# Altium PCB utca-rtm-template.PcbDoc (continued)
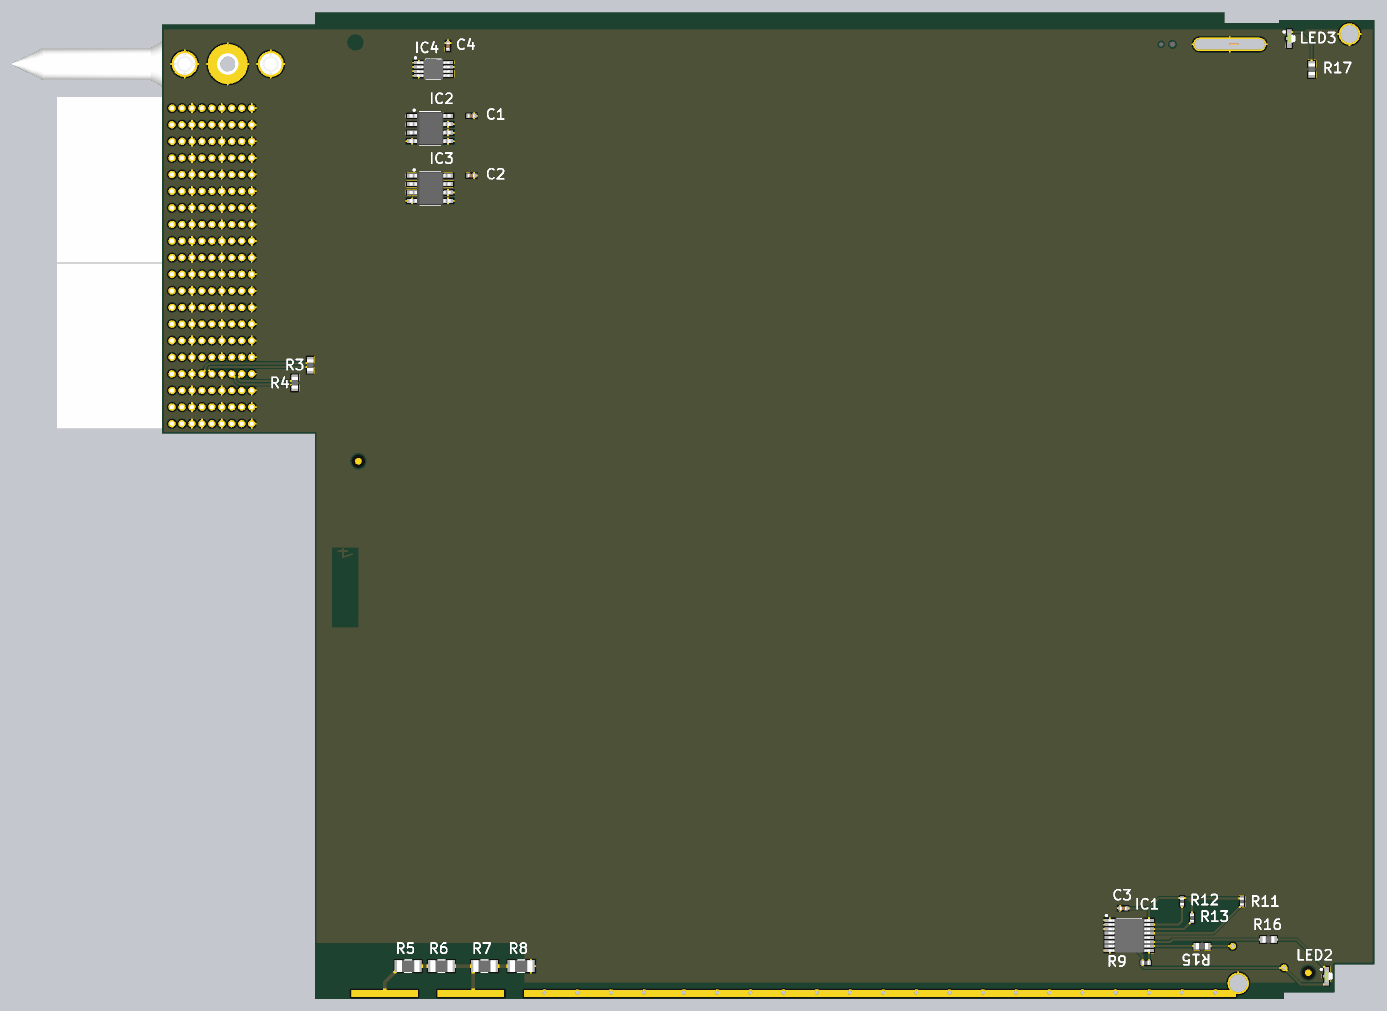
[diagram p5: 3D render of the assembled board from below, using the file's embedded part models]

## Layer stack, top to bottom
Top Solder: solder mask 0.4, Solder Resist, Dk 3.5
Top Layer: signal copper 1.4
Dielectric 1: dielectric 12.6, FR-4, Dk 4.8
Internal Plane 1: plane copper 1.4, net GND
Dielectric2: dielectric 12.6, FR-4, Dk 4.8
Internal Plane 2: plane copper 1.4
Dielectric3: dielectric 12.6, FR-4, Dk 4.8
Bottom Layer: signal copper 1.4
Bottom Solder: solder mask 0.4, Solder Resist, Dk 3.5

## Board outline
238.19,41.34 238.19,206.69 1.97,206.69 1.97,5805.12 567.32,5805.12 567.32,5785.43 891.73,5785.43 891.73,5848.43 6281.5,5848.43 6281.5,5777.56 7187.01,5777.56 7187.01,3352.36 6281.5,3352.36 6281.5,1.97 537.4,1.97 537.4,41.34

## Design rules (kind name [scope] priority, off if disabled: settings)
BoardOutlineClearance BoardOutlineClearance_silk_top [OnLayer('Top Overlay')] p1: gap=0 ignorepadtopadclearanceinfootprint=FALSE
BoardOutlineClearance BoardOutlineClearance_silk_bottom [OnLayer('Bottom Overlay')] p2: gap=0 ignorepadtopadclearanceinfootprint=FALSE
BoardOutlineClearance [All] p3: gap=11 ignorepadtopadclearanceinfootprint=FALSE except(0: Arc-SplitContinuation Track-SplitContinuation SMDPad-SplitContinuation THPad-SplitContinuation Via-SplitContinuation Fill-SplitContinuation Poly-SplitContinuation Region-SplitContinuation Text-SplitContinuation)
Clearance [All] p1: gap=10 ignorepadtopadclearanceinfootprint=FALSE except(0: Arc-Hole Track-Hole SMDPad-Hole THPad-Hole Via-Hole Fill-Hole Poly-Hole Region-Hole Text-Hole; 7: Arc-Arc Arc-Track Arc-SMDPad Arc-Fill Arc-Poly Arc-Region Track-Track Track-SMDPad Track-Fill Track-Poly Track-Region SMDPad-SMDPad SMDPad-Fill SMDPad-Poly SMDPad-Region; 8: Arc-THPad Arc-Via Track-THPad Track-Via SMDPad-THPad SMDPad-Via THPad-THPad THPad-Via Via-Via)
DiffPairsRouting DiffPair_100DiffPairsRouting [InDifferentialPairClass('DIFF100')] p1: maxlimit=8 minlimit=8 mostfreqgap=8 toplayer_minwidth=12 toplayer_maxwidth=12 toplayer_prefwidth=12 bottomlayer_minwidth=12 bottomlayer_maxwidth=12 bottomlayer_prefwidth=12 maxuncoupledlength=500
DiffPairsRouting [All] p2: maxlimit=20 minlimit=8 mostfreqgap=8 toplayer_minwidth=10 toplayer_maxwidth=40 toplayer_prefwidth=12 bottomlayer_minwidth=10 bottomlayer_maxwidth=40 bottomlayer_prefwidth=12 maxuncoupledlength=500
HoleSize [All] p1: absolutevalues=TRUE maxlimit=1000 minlimit=8 maxpercent=80.000 minpercent=20.000
MatchedLengths DiffPair_100MatchedLengths [InDifferentialPairClass('DIFF100')] p1: tolerance=1000 checknetsindiffpair=FALSE checkdiffpairvsdiffpair=TRUE checkxsignals=TRUE checkothers=TRUE
MinimumSolderMaskSliver [All] p1: minsoldermaskwidth=6
PlaneClearance [All] p1: clearance=20
PlaneConnect [All] p1: planeconnectstyle=Direct reliefexpansion=20 reliefentries=4 reliefconductorwidth=10 reliefairgap=10
PolygonConnect [All] p1: connectstyle=Relief reliefconductorwidth=10 reliefentries=4 polygonreliefangle="90 Angle" airgapwidth=10
RoutingVias [All] p1: holewidth=23.62 width=39.37 viastyle="Through Hole" minholewidth=7.87 minwidth=15.75 maxholewidth=196.85 maxwidth=212.6
SilkToSolderMaskClearance [IsText] p1: minsilkscreentomaskgap=5 clearancetoexposedcopper=TRUE
SolderMaskExpansion [All] p1: expansion=8
Width [All] p1: maxlimit=40 minlimit=8 preferedwidth=12 minimp=50.000000 maximp=50.000000 favimp=50.000000
24 further rules are at their usual default settings.

## Classes and differential pairs
differential pair class DIFF100: DNC1 DNC2 DNC3 DNC4 DNC5 DNC6 DNC7 DNC8 DNC9 DNC10 DNC11 FPGA_CLK1 FPGA_CLK2 RTM_LVD0 RTM_LVD1 RTM_LVD2 RTM_LVD3 RTM_LVD4 RTM_LVD5 RTM_LVD6 RTM_LVD7 SFP1RX SFP1TX SFP2RX SFP2TX SFP3RX SFP3TX SFP4RX SFP4TX SFP5RX SFP5TX SFP6RX SFP6TX SFP7RX SFP7TX SFP8RX SFP8TX SYNC_CLK1
component class rtm-top: FTG1 FTG2 FTG3 FTG4 FTG5 FTG6 R4
net class RTM_IO[14..0]: RTM_IO0 RTM_IO1 RTM_IO2 RTM_IO3 RTM_IO4 RTM_IO5 RTM_IO6 RTM_IO7 RTM_IO8 RTM_IO9 RTM_IO10 RTM_IO11 RTM_IO12 RTM_IO13 RTM_IO14
component class IPMI: C1 C2 C3 C4 IC1 IC2 IC3 IC4 LED1 LED2 LED3 PB1 R12 R13 R15 R16 R17
component class Connectors: J1 J2 J3 R1
differential pair DNC3: +DNC2_P -DNC2_N
differential pair RTM_LVD2: +RTM_LVD2_P -RTM_LVD2_N
differential pair DNC3: +DNC3_P -DNC3_N
differential pair DNC2: +DNC2_P -DNC2_N
differential pair DNC1: +DNC1_P -DNC1_N
differential pair SYNC_CLK1: +SYNC_CLK1_P -SYNC_CLK1_N
differential pair SFP8TX: +SFP8TX_P -SFP8TX_N
differential pair SFP8RX: +SFP8RX_P -SFP8RX_N
differential pair SFP7TX: +SFP7TX_P -SFP7TX_N
differential pair SFP7RX: +SFP7RX_P -SFP7RX_N
differential pair SFP6TX: +SFP6TX_P -SFP6TX_N
differential pair SFP6RX: +SFP6RX_P -SFP6RX_N
differential pair SFP5TX: +SFP5TX_P -SFP5TX_N
differential pair SFP5RX: +SFP5RX_P -SFP5RX_N
differential pair SFP4TX: +SFP4TX_P -SFP4TX_N
differential pair SFP4RX: +SFP4RX_P -SFP4RX_N
differential pair SFP3TX: +SFP3TX_P -SFP3TX_N
differential pair SFP3RX: +SFP3RX_P -SFP3RX_N
differential pair SFP2TX: +SFP2TX_P -SFP2TX_N
differential pair SFP2RX: +SFP2RX_P -SFP2RX_N
differential pair SFP1TX: +SFP1TX_P -SFP1TX_N
differential pair SFP1RX: +SFP1RX_P -SFP1RX_N
differential pair RTM_LVD7: +RTM_LVD7_P -RTM_LVD7_N
differential pair RTM_LVD6: +RTM_LVD6_P -RTM_LVD6_N
differential pair RTM_LVD5: +RTM_LVD5_P -RTM_LVD5_N
differential pair RTM_LVD4: +RTM_LVD4_P -RTM_LVD4_N
differential pair RTM_LVD3: +RTM_LVD3_P -RTM_LVD3_N
differential pair RTM_LVD1: +RTM_LVD1_P -RTM_LVD1_N
differential pair RTM_LVD0: +RTM_LVD0_P -RTM_LVD0_N
differential pair FPGA_CLK2: +FPGA_CLK2_P -FPGA_CLK2_N
differential pair FPGA_CLK1: +FPGA_CLK1_P -FPGA_CLK1_N

## Components (designator, comment, footprint, x,y, rotation, side; value= is the part's Value field where it differs from the comment)
C1 "100nF" CAPC1005X55N 5354.33,5236.22 r180 bottom
C2 "100nF" CAPC1005X55N 5354.33,4881.89 r180 bottom
C3 "100nF" CAPC1005X55N 1490.16,539.37 r0 bottom
C4 "100nF" CAPC1005X55N 5492.13,5649.61 r90 bottom
FTG1 "Use only in PCB" FIDUCIAL_TOP_C100-200#1 393.7,157.48 r90 top
FTG2 "Use only in PCB" FIDUCIAL_TOP_C100-200#1 393.7,157.48 r90 bottom
FTG3 "Use only in PCB" FIDUCIAL_TOP_C100-200#1 6041.34,5671.26 r90 top
FTG4 "Use only in PCB" FIDUCIAL_TOP_C100-200#2 6041.34,5671.26 r90 bottom
FTG5 "Use only in PCB" FIDUCIAL_TOP_C100-200#1 6023.62,3188.98 r90 bottom
FTG6 "Use only in PCB" FIDUCIAL_TOP_C100-200#1 196.85,3228.35 r90 top
IC1 "PCA9554PW" SOP65P640X110-16N 1454.72,378.94 r180 bottom
IC2 "LM75AIM/NOPB" SOIC127P600X175-8N 5598.43,5161.22 r180 bottom
IC3 "LM75AIM/NOPB" SOIC127P600X175-8N 5598.43,4806.89 r180 bottom
IC4 "24LC64-I/MS" SOP65P490X110-8N 5578.74,5512.8 r180 bottom
J1 "Advanced TCA" TYCO_6469183-1 6891.73,3854.33 r0 top
J2 "Advanced TCA" TYCO_6469183-1 6891.73,4838.58 r0 top
J3 "Family" TYCO_1469265-1 6797.91,5543.31 r0 top
LED1 "Red" LEDC1608X80N_RED 590.55,157.48 r90 top
LED2 "Green" LED_AVAGO_HSME-C120 285.43,137.8 r270 bottom
LED3 "Blue" LED_AVAGO_HSMR-C120 505.91,5693.9 r270 bottom
PB1 "Push Button" SW_C&K_HDT0001 1232.28,5659.45 r0 top
R1 "100" RESC1608X55N 6397.64,3556.1 r270 top
R2 "100" RESC1608X55N 6396.65,3756.89 r90 top
R3 "100" RESC1608X55N 6309.06,3758.86 r90 bottom
R4 "100" RESC1608X55N 6400.99,3653.14 r270 bottom
R5 "1M" RESC3216X65N 5728.35,196.85 r180 bottom
R6 "1M" RESC3216X65N 5531.5,196.85 r180 bottom
R7 "1M" RESC3216X65N 5275.59,196.85 r180 bottom
R8 "1M" RESC3216X65N 5059.05,196.85 r180 bottom
R9 "10k" RESC1005X40N 1357.09,216.54 r180 bottom
R10 "10k" RESC1005X40N 1452.76,5701.97 r270 top
R11 "10k" RESC1005X40N 787.4,579.92 r270 bottom
R12 "10k" RESC1005X40N 1141.73,580.71 r270 bottom
R13 "10k" RESC1005X40N 1082.68,482.28 r270 bottom
R15 "330" RESC1608X55N 1023.62,314.96 r180 bottom
R16 "330" RESC1608X55N 629.92,354.33 r180 bottom
R17 "330" RESC1608X55N 374.02,5511.81 r90 bottom

## Footprints (in the part's own frame and the unit in brackets; to place one, negate y for a bottom-side part, rotate by r counter-clockwise, add the part's x,y. Pads: shape width x height; smd on the part's side, far side on the other; paste and mask are expansions set on the pad)
CAPC1005X55N [mm] "Chip Capacitor, Body 1.0x0.55mm, IPC Medium Density"
  rect 0.62x0.62 smd: 1(-0.45,0) 2(0.45,0)
  body extent -0.52,-0.27 0.53,0.28, height 0.55
FIDUCIAL_TOP_C100-200#1 [mm] "Round Fiducial Target, Top Layer, 1.0mm, Top Solder 2.0mm, Keepout =2.0mm"
  round 1 smd paste-0.51 mask+0.5: FTG2(0,0)
  Top Layer keep-out circle w0.1: c0,0 r1
FIDUCIAL_TOP_C100-200#2 [mm] "Round Fiducial Target, Top Layer, 1.0mm, Top Solder 2.0mm, Keepout =2.0mm"
  round 1 smd far side paste-0.51 mask+0.5: FTG2(0,0)
  Top Layer keep-out circle w0.1: c0,0 r1
LED_AVAGO_HSME-C120 [mm] "Green Chip LED, 2-Leads, Body 1.7x1.1mm, Side Emitting Package"
  rect 0.8x0.7 smd: 1(-1,0) 2(1,0)
  rect 0.4x0.4 smd: 3(0,-0.35)
  silkscreen extent -1.12,-0.92 0.42,0.8, body extent -0.85,-0.3 0.85,0.8, height 0.7
LED_AVAGO_HSMR-C120 [mm] "Blue Chip LED, 2-Leads, Body 1.7x1.1mm, Side Emitting Package"
  rect 0.8x0.7 smd: 1(-1,0) 2(1,0)
  rect 0.4x0.4 smd: 3(0,-0.35)
  silkscreen extent -1.12,-0.92 0.42,0.8, body extent -0.85,-0.3 0.85,0.8, height 0.7
LEDC1608X80N_RED [mm] "Chip RED LED, 2-Leads, Body 1.6x0.8mm, IPC Medium Density"
  rect 0.9x0.95 smd: 1(-0.8,0) 2(0.8,0)
  silkscreen extent -1.87,-0.13 -1.63,0.12, body extent -0.8,-0.4 0.8,0.4, height 0.8
RESC1005X40N [mm] "Chip Resistor, EIA 0402, Metric 1005, Body 1.0x0.5mm, IPC Medium Density"
  rect 0.58x0.62 smd: 1(-0.47,0) 2(0.47,0)
  body extent -0.52,-0.27 0.53,0.28, height 0.4
RESC1608X55N [mm] "Chip Resistor, EIA 0603, Metric 1608, Body 1.6x0.8mm, IPC Medium Density"
  rect 0.9x1 smd: 1(-0.8,0) 2(0.8,0)
  body extent -0.87,-0.47 0.88,0.48, height 0.55
RESC3216X65N [mm] "Chip Resistor, EIA 1206, Metric 3216, Body 3.2x1.6mm, IPC Medium Density"
  rect 1.15x1.8 smd: 1(-1.45,0) 2(1.45,0)
  silkscreen extent -0.5,-0.9 0.5,0.9, body extent -1.67,-0.87 1.68,0.88, height 0.65
SOIC127P600X175-8N [mm] "SOIC 8, Pitch 1.27mm - Body 4x5mm, IPC Medium Density"
  rect 1.55x0.6 smd: 1(-2.7,1.905) 2(-2.7,0.635) 3(-2.7,-0.635) 4(-2.7,-1.905) 5(2.7,-1.905) 6(2.7,-0.635) 7(2.7,0.635) 8(2.7,1.905)
  silkscreen extent -2.53,-2.5 1.55,2.88, body extent -3.1,-2.5 3.1,2.5, height 1.75
SOP65P490X110-8N [mm] "SOP, 0.65mm pitch; 8 pin, 3.00mm W X 3.00mm L X 1.10mm H body, IPC Medium Density"
  rect 1.5x0.45 smd: 1(-2.2,0.975) 2(-2.2,0.325) 3(-2.2,-0.325) 4(-2.2,-0.975) 5(2.2,-0.975) 6(2.2,-0.325) 7(2.2,0.325) 8(2.2,0.975)
  silkscreen extent -2.83,-1.5 1.12,1.82, body extent -2.45,-1.55 2.45,1.55, height 1.1
SOP65P640X110-16N [mm] "SOP, 0.65mm pitch; 16 pin, 4.40mm W X 5.00mm L X 1.10mm H body IPC Medium Density"
  rect 1.5x0.45 smd: 1(-2.95,2.275) 2(-2.95,1.625) 3(-2.95,0.975) 4(-2.95,0.325) 5(-2.95,-0.325) 6(-2.95,-0.975) 7(-2.95,-1.625) 8(-2.95,-2.275) 9(2.95,-2.275) 10(2.95,-1.625) 11(2.95,-0.975) 12(2.95,-0.325) 13(2.95,0.325) 14(2.95,0.975) 15(2.95,1.625) 16(2.95,2.275)
  silkscreen extent -3.58,-2.5 1.88,3.12, body extent -3.12,-2.55 3.12,2.55, height 1.1
SW_C&K_HDT0001 [mm] "Micro Mini Surface Mount Detect Switches, HDT Serie"
  rect 0.95x0.55 smd: 1(-0.925,1.575) 2(0.925,1.575) 3(-0.925,-1.575) 4(0.925,-1.575)
  round 0.5 hole 0.85 unplated mask+0.175: 5(-0.85,0)
  round 0.5 hole 0.65 unplated mask+0.075: 10(0.85,0)
  silkscreen extent -1.75,-1.4 1.75,1.4, body extent -1.75,-1.65 1.75,1.65, height 3.35
TYCO_1469265-1 [mm] "Universal Right Angle Male Power Module Guide (keyed)"
  round 3.9 hole 3.2: 1(-6.48,0) 1(6.48,0)
  rect 18.3x8.3 smd paste-4.15 mask-4.15: 1(0,0)
  round 6 hole 3.2: 1(0,0)
  silkscreen extent 9.58,-3.96 32.55,3.94, body extent -8.92,-3.95 32.53,3.95, height 9.7
TYCO_6469183-1 [mm] "60 Positions, Pitch 2.5mm,  Advanced TCA, Z-PACK HM-Zd BackPlane Press Fit Header"
  round 1.1 hole 0.6: A1(6,-11.25) A2(6,-8.75) A3(6,-6.25) A4(6,-3.75) A5(6,-1.25) A6(6,1.25) A7(6,3.75) A8(6,6.25) A9(6,8.75) A10(6,11.25) B1(4.5,-11.25) B2(4.5,-8.75) B3(4.5,-6.25) B4(4.5,-3.75) B5(4.5,-1.25) B6(4.5,1.25) B7(4.5,3.75) B8(4.5,6.25) B9(4.5,8.75) B10(4.5,11.25) BG1(3,-11.25) BG2(3,-8.75) BG3(3,-6.25) BG4(3,-3.75) BG5(3,-1.25) BG6(3,1.25) BG7(3,3.75) BG8(3,6.25) BG9(3,8.75) BG10(3,11.25) C1(1.5,-11.25) C2(1.5,-8.75) C3(1.5,-6.25) C4(1.5,-3.75) C5(1.5,-1.25) C6(1.5,1.25) C7(1.5,3.75) C8(1.5,6.25) C9(1.5,8.75) C10(1.5,11.25) D1(0,-11.25) D2(0,-8.75) D3(0,-6.25) D4(0,-3.75) D5(0,-1.25) D6(0,1.25) D7(0,3.75) D8(0,6.25) D9(0,8.75) D10(0,11.25) DG1(-1.5,-11.25) DG2(-1.5,-8.75) DG3(-1.5,-6.25) DG4(-1.5,-3.75) DG5(-1.5,-1.25) DG6(-1.5,1.25) DG7(-1.5,3.75) DG8(-1.5,6.25) DG9(-1.5,8.75) DG10(-1.5,11.25) E1(-3,-11.25) E2(-3,-8.75) E3(-3,-6.25) E4(-3,-3.75) E5(-3,-1.25) E6(-3,1.25) E7(-3,3.75) E8(-3,6.25) E9(-3,8.75) E10(-3,11.25) F1(-4.5,-11.25) F2(-4.5,-8.75) F3(-4.5,-6.25) F4(-4.5,-3.75) F5(-4.5,-1.25) F6(-4.5,1.25) F7(-4.5,3.75) F8(-4.5,6.25) F9(-4.5,8.75) F10(-4.5,11.25) FG1(-6,-11.25) FG2(-6,-8.75) FG3(-6,-6.25) FG4(-6,-3.75) FG5(-6,-1.25) FG6(-6,1.25) FG7(-6,3.75) FG8(-6,6.25) FG9(-6,8.75) FG10(-6,11.25)
  silkscreen extent -6.65,-12 23.35,12.9, body extent -6.65,-12 23.35,12.9, height 13.31

## Part data
C1 C2 C3 C4: library part CC0402_100NF_16V_10%_X7R, "Non-polarised capacitor", Case=0402, Manufacturer=GENERIC, Manufacturer1 ComponentHeight=0.55mm, Manufacturer1 Example=PHYCOMP, Manufacturer1 Part Number=223878715649, Tolerance=±10%, Voltage=16V, Author="CERN DEM JLC", Component Type=Standard, CreateDate=12/3/2007, HelpURL=\\cern.ch\dfs\Applications\Altium\Datasheets\CC0402_X7R_PHYCOMP.pdf, LatestRevisionDate=12/3/2007, Manufacturer Part Number=CC0402_100NF_16V_10%_X7R, Mounted=Yes, Part Description="SMD Multilayer Chip Ceramic Capacitor", Part Number=CC0402_100NF_16V_10%_X7R, Pin Count=2, SMD=Yes, Socket=No, Status="Not Recommended", Table="Capacitors SMD", TC=X7R
FTG1 FTG2 FTG3 FTG4 FTG5 FTG6: library part FIDUCIAL_TARGET_C100-200, "Fiducial Target", Author="CERN DEM JLC", ComponentHeight=0mm, Component Type="Standard (No BOM)", CreateDate=09/02/2010, Family=Fiducial, HelpURL=Undefined, LatestRevisionDate=04/04/2012, Mounted=No, PackageDescription="Round Fiducial Target, Top Layer, 1.0mm, Top Solder 2.0mm, Keepout =2.0mm", Part Description="Round Fiducial Target, Top Layer, 1.0mm, Top Solder 2.0mm, Keepout =2.0mm", Part Number=FIDUCIAL_TARGET_C100-200, Pin Count=1, Sense=No, SMD=Yes, Socket=No, Status=None
IC1: "8-Bit I2C-Bus and SMBus I/O Port with Interrupt", Case=TSSOP16, Manufacturer="NXP SEMICONDUCTORS", Author="CERN DEM JLC", Bonding=No, ComponentHeight=1.1mm, Component Type=Standard, CreateDate=04/11/2014, Device=PCA9554PW, HelpURL=\\cern.ch\dfs\Applications\Altium\Datasheets\PCA9554PW.pdf, LatestRevisionDate=04/11/2014, Manufacturer Part Number=PCA9554PW, Mounted=Yes, PackageDescription="SOP, 0.65mm pitch; 16 pin, 4.40mm W X 5.00mm L X 1.10mm H body IPC Medium Density", Part Description="8-Bit I2C-Bus and SMBus I/O Port with Interrupt", Part Number=PCA9554PW, Pin Count=16, PressFit=No, Sense=No, SMD=Yes, Socket=No
IC2 IC3: "Digital Temperature Sensor and Thermal Watchdog with Two-Wire Interface", Case=SOIC8, Manufacturer="TEXAS INSTRUMENTS", Author="CERN DEM JLC", Bonding=No, ComponentHeight=1.75mm, Component Type=Standard, CreateDate=15/10/2012, Device=LM75AIM/NOPB, HelpURL=\\cern.ch\dfs\Applications\Altium\Datasheets\LM75AIM-NOPB.pdf, LatestRevisionDate=15/10/2012, Manufacturer Part Number=LM75AIM/NOPB, Mounted=Yes, PackageDescription="SOIC 8, Pitch 1.27mm - Body 4x5mm, IPC Medium Density", Part Description="-25° to +100°C ±2°C Digital Temperature Sensor and Thermal Watchdog with Two-Wire Interface", Part Number=LM75AIM/NOPB, Pin Count=8, PressFit=No, Sense=No, SMD=Yes, Socket=No
IC4: "64K I2C Serial EEPROM", Case=MSOP8, Manufacturer="MICROCHIP TECHNOLOGY", Author="CERN DEM JLC", ComponentHeight=1.1mm, Component Type=Standard, CreateDate=2011-01-24, Device=24LC64-I/MS, HelpURL=\\cern.ch\dfs\Applications\Altium\Datasheets\24LC64-I-MS.pdf, LatestRevisionDate=2011-01-24, Manufacturer Part Number=24LC64-I/MS, Mounted=Yes, PackageDescription="SOP, 0.65mm pitch; 8 pin, 3.00mm W X 3.00mm L X 1.10mm H body, IPC Medium Density", Part Description="2.5V-5.5V, 64K (8K x 8-bit) I2C Serial EEPROM", Part Number=24LC64-I/MS, Pin Count=8, SMD=Yes, Socket=No, Table=Logic
J1 J2: library part TYCO_6469183-1, "Connector 60 ATCA Male 30 Pairs (60 Signals) + 3x10 Ground", Manufacturer="TYCO ELECTRONICS", Manufacturer Part Number=6469183-1, Author="CERN DEM JLC", ComponentHeight=13.31mm, Component Type=Standard, CreateDate=28/08/2013, Family="Advanced TCA", HelpURL=\\cern.ch\dfs\Applications\Altium\Datasheets\TYCO_6469183-1.pdf, LatestRevisionDate=28/08/2013, Mounted=Yes, Part Description="60 Positions, Pitch 2.5mm,  Advanced TCA, Z-PACK HM-Zd Right Angle Press Fit Header", Part Number=TYCO_6469183-1, Pin Count=90, PressFit=Yes, Sense=No, SMD=No, Socket=No, Status=None
J3: library part TYCO_1469265-1, "Single Pin Male", Manufacturer="TYCO ELECTRONICS", Manufacturer Part Number=1469265-1, Author="CERN DEM JLC", ComponentHeight=9.78mm, Component Type=Standard, CreateDate=28/08/2013, HelpURL=\\cern.ch\dfs\Applications\Altium\Datasheets\TYCO_1469265-1.pdf, LatestRevisionDate=28/08/2013, Mounted=Yes, Part Description="Universal Right Angle Male Power Module Guide (keyed)", Part Number=TYCO_1469265-1, Pin Count=1, PressFit=No, Sense=No, SMD=No, Socket=No, Status=None
LED1: library part LED_ROHM_SML-311UTT86K, "LED Red 1C 2A", Manufacturer=ROHM, Manufacturer Part Number=SML-311UTT86K, Author="CERN DEM JLC", Bonding=No, Color=Red, ComponentHeight=0.8mm, Component Type=Standard, CreateDate=16/03/2010, HelpURL=\\cern.ch\dfs\Applications\Altium\Datasheets\LED_ROHM_SML-311UTT86K.pdf, LatestRevisionDate=17/03/2010, Mounted=Yes, PackageDescription="Chip Red LED, 2-Leads, Body 1.6x0.8mm, IPC Medium Density", Part Description="Low current chip LED SML-311 Serie", Part Number=LED_ROHM_SML-311UTT86K, Pin Count=2, PressFit=No, Sense=No, SMD=Yes, Socket=No
LED2: library part LED_AVAGO_HSME-C120, "LED Green 1C 2A", Manufacturer="AVAGO TECHNOLOGIES", Manufacturer Part Number=HSME-C120, Author="CERN DEM JMW", Bonding=No, Color=Green, ComponentHeight=0.7mm, ComponentLink1Description="Design Guide", ComponentLink1URL=\\cern.ch\dfs\Applications\Altium\Datasheets\LED_AVAGO_HSME-C110_DESIGN-GUIDE.pdf, Component Type=Standard, CreateDate=22/07/2009, HelpURL=\\cern.ch\dfs\Applications\Altium\Datasheets\LED_AVAGO_HSME-C120.pdf, LatestRevisionDate=20/06/2012, Mounted=Yes, PackageDescription="Green Chip LED, 2-Leads, Body 1.7x1.1mm, Side Emitting Package", Part Description="High Performance Right Angle Chip Green LED", Part Number=LED_AVAGO_HSME-C120, Pin Count=2, PressFit=No, Sense=No, SMD=Yes, Socket=No
LED3: library part LED_AVAGO_HSMR-C120, "LED Blue 1C 2A", Manufacturer="AVAGO TECHNOLOGIES", Manufacturer Part Number=HSMR-C120, Author="CERN DEM JLC", Bonding=No, Color=Blue, ComponentHeight=0.7mm, Component Type=Standard, CreateDate=07/07/2014, HelpURL=\\cern.ch\dfs\Applications\Altium\Datasheets\LED_AVAGO_HSMR-C120.pdf, LatestRevisionDate=07/07/2014, Mounted=Yes, PackageDescription="Blue Chip LED, 2-Leads, Body 1.7x1.1mm, Side Emitting Package", Part Description="High Performance Right Angle Chip InGaN Blue LED", Part Number=LED_AVAGO_HSMR-C120, Pin Count=2, PressFit=No, Sense=No, SMD=Yes, Socket=No
PB1: library part SW_C&K_HDT0001, "Push-Button Switch SPDT", Manufacturer=C&K, Manufacturer Part Number=HDT0001, Author="CERN DEM JLC", ComponentHeight=3.35mm, Component Type=Standard, CreateDate=2012-08-15, Family="Push Button", HelpURL=\\cern.ch\dfs\Applications\Altium\Datasheets\SW_C&K_HDT0001.pdf, LatestRevisionDate=2012-08-15, Mounted=Yes, PackageDescription="Body 3.5x2.8mm, Micro Mini Surface Mount Detect Switches, HDT Serie", Part Description="5VDC 1mA SPST-NO Micro Mini Surface Surface Mount Detect Push-Button Switch, HDT Serie", Part Number=SW_C&K_HDT0001, Pin Count=4, SMD=Yes, Socket=No, Status=None, Table=Switches
R1 R3 R4: library part R0603_100R_1%_0.1W_100PPM, "Resistor - 1%", Case=0603, Manufacturer=GENERIC, Manufacturer1 ComponentHeight=0.55mm, Manufacturer1 Example="NIC COMPONENT", Manufacturer1 Part Number=NRC06F4700TRF, Power=0.1W, Tolerance=±1%, Author="CERN DEM JLC", Component Type=Standard, CreateDate=03/12/2007, HelpURL=\\cern.ch\dfs\Applications\Altium\Datasheets\R0603_NIC_NRC.pdf, LatestRevisionDate=13/03/2008, Manufacturer Part Number=R0603_100R_1%_0.1W_100PPM, Mounted=Yes, Part Description="General Purpose Thick Film Chip Resistor", Part Number=R0603_100R_1%_0.1W_100PPM, Pin Count=2, Sense=No, SMD=Yes, Socket=No, Status=Preferred, TC=±100ppm/°C
R2: library part R0603_100R_1%_0.1W_100PPM, "Resistor - 1%", Case=0603, Manufacturer=GENERIC, Manufacturer1 ComponentHeight=0.55mm, Manufacturer1 Example="NIC COMPONENT", Manufacturer1 Part Number=NRC06F1000TRF, Power=0.1W, Tolerance=±1%, Author="CERN DEM JLC", Component Type=Standard, CreateDate=03/12/2007, HelpURL=\\cern.ch\dfs\Applications\Altium\Datasheets\R0603_NIC_NRC.pdf, LatestRevisionDate=13/03/2008, Manufacturer Part Number=R0603_100R_1%_0.1W_100PPM, Mounted=Yes, Part Description="General Purpose Thick Film Chip Resistor", Part Number=R0603_100R_1%_0.1W_100PPM, Pin Count=2, Sense=No, SMD=Yes, Socket=No, Status=Preferred, TC=±100ppm/°C
R5 R6 R7 R8: library part R1206_1M_1%_0.25W_100PPM, "Resistor - 1%", Case=1206, Manufacturer=GENERIC, Manufacturer1 ComponentHeight=0.65mm, Manufacturer1 Example="NIC COMPONENT", Manufacturer1 Part Number=NRC12F1004TRF, Power=0.25W, Tolerance=±1%, Author="CERN DEM JLC", Component Type=Standard, CreateDate=03/12/2007, HelpURL=\\cern.ch\dfs\Applications\Altium\Datasheets\R1206_NIC_NRC.pdf, LatestRevisionDate=13/03/2008, Manufacturer Part Number=R1206_1M_1%_0.25W_100PPM, Mounted=Yes, Part Description="General Purpose Thick Film Chip Resistor", Part Number=R1206_1M_1%_0.25W_100PPM, Pin Count=2, Sense=No, SMD=Yes, Socket=No, Status=Preferred, TC=±100ppm/°C
R9 R10 R11 R12 R13: library part R0402_10K_1%_0.0625W_100PPM, "Resistor - 1%", Case=0402, Manufacturer=GENERIC, Manufacturer1 ComponentHeight=0.4mm, Manufacturer1 Example="YAGEO PHYCOMP", Manufacturer1 Part Number=232270671003L, Power=0.0625W, Tolerance=±1%, Author="CERN DEM JLC", Component Type=Standard, CreateDate=2007-12-03, HelpURL=\\cern.ch\dfs\Applications\Altium\Datasheets\R0402_Phycomp_RC0402.pdf, LatestRevisionDate=2012-10-17, Manufacturer Part Number=R0402_10K_1%_0.0625W_100PPM, Mounted=Yes, Part Description="General Purpose Thick Film Chip Resistor", Part Number=R0402_10K_1%_0.0625W_100PPM, Pin Count=2, SMD=Yes, Socket=No, Status="Not recommended", Table="Resistors SMD", TC=±100ppm/°C
R15 R16 R17: library part R0603_330R_1%_0.1W_100PPM, "Resistor - 1%", Case=0603, Manufacturer=GENERIC, Manufacturer1 ComponentHeight=0.55mm, Manufacturer1 Example="NIC COMPONENT", Manufacturer1 Part Number=NRC06F3300TRF, Power=0.1W, Tolerance=±1%, Author="CERN DEM JLC", Component Type=Standard, CreateDate=2007-12-03, HelpURL=\\cern.ch\dfs\Applications\Altium\Datasheets\R0603_NIC_NRC.pdf, LatestRevisionDate=2008-03-13, Manufacturer Part Number=R0603_330R_1%_0.1W_100PPM, Mounted=Yes, Part Description="General Purpose Thick Film Chip Resistor", Part Number=R0603_330R_1%_0.1W_100PPM, Pin Count=2, SMD=Yes, Socket=No, Status=Preferred, Table="Resistors SMD", TC=±100ppm/°C

## Free pads (board coordinates)
  oval 433.07x78.74 hole 62.99 slot 417.32 at 0 deg: 0(860.24,5659.45)
  rect 393.7x39.37 smd far side paste-100000 mask+10: ESD_STRIP_1(5868.14,34.45) "ESD_STRIP_ 2"(5356.33,34.45)
  rect 4218.11x39.37 smd far side paste-100000 mask+10: ESD_STRIP_3(2932.27,34.45)
  round 125.98 hole 106.3: MH1(149.61,5720.47) MH2(809.06,94.49)

## Via types
v1: diameter 39.37, hole 23.62, Top Layer to Bottom Layer, 23 vias

## Nets (pads, with @x,y where several pads share a name; then routed paths per layer and width w, separated by ;. In a path a pad name is that pad's centre, name@x,y a point inside that pad or via, vN(x,y) a via of type N, cw(c..) or ccw(c..) an arc to the next point about the centre after c; other vN are vias at no path point)
CLK_EXT_N: J1.D3
CLK_EXT_P: J1.C3
DNC1_N: J1.B4 R2.1 | length 742.8
  Top Layer w12: R2.1 ccw(c6396.65,3730.15) 6400.01,3726.78 6409.37,3736.14 ccw(c6407.02,3738.49) 6410.34,3738.49 cw(c6413.66,3738.49) 6411.31,3740.83 cw(c6425.93,3726.21) 6425.93,3746.89 7075.5,3746.89 cw(c7075.5,3733.96) 7084.64,3743.1 7084.91,3742.83 cw(c7076.43,3734.35) 7088.43,3734.35 cw(c7076.43,3734.35) 7084.91,3725.86 7071.13,3712.08 ccw(c7076.52,3706.69) J1.B4
DNC1_P: J1.A4 R2.2 | length 774.3
  Top Layer w12: R2.2 cw(c6396.65,3783.63) 6400.01,3787 6409.37,3777.64 cw(c6407.02,3775.29) 6410.34,3775.29 ccw(c6413.66,3775.29) 6411.31,3772.95 ccw(c6425.93,3787.57) 6425.93,3766.89 7075.5,3766.89 cw(c7075.5,3733.96) 7098.78,3757.25 7101.98,3754.04 cw(c7086.43,3738.49) 7108.43,3738.49 ccw(c7130.43,3738.49) 7114.87,3722.93 7125.72,3712.08 cw(c7120.33,3706.69) J1.A4
DNC2_N: J1.D4 R3.1 | length 654.3
  Bottom Layer w12: R3.1 ccw(c6309.06,3732.11) 6312.41,3728.75 6321.77,3738.11 ccw(c6319.42,3740.45) 6322.74,3740.45 cw(c6326.06,3740.45) 6323.71,3742.8 6326.26,3745.34 cw(c6334.74,3736.86) 6334.74,3748.86 6894.97,3748.86 cw(c6894.97,3732.57) 6906.49,3744.09 6907.74,3742.83 cw(c6899.26,3734.35) 6911.26,3734.35 cw(c6899.26,3734.35) 6907.75,3725.86 6893.96,3712.08 ccw(c6899.35,3706.69) J1.D4
DNC2_P: J1.C4 R3.2 | length 685.7
  Bottom Layer w12: R3.2 cw(c6309.06,3785.6) 6312.42,3788.96 6321.77,3779.61 cw(c6319.42,3777.26) 6322.74,3777.26 ccw(c6326.06,3777.26) 6323.71,3774.92 6326.26,3772.37 ccw(c6334.74,3780.86) 6334.74,3768.86 6894.97,3768.86 cw(c6894.97,3732.57) 6920.63,3758.23 6924.82,3754.04 cw(c6909.26,3738.49) 6931.26,3738.49 ccw(c6953.26,3738.49) 6937.7,3722.93 6948.56,3712.08 cw(c6943.17,3706.69) J1.C4
DNC3_N: J1.F3 R1.1 | length 388.2
  Top Layer w12: R1.1 cw(c6397.64,3582.85) 6400.99,3586.21 6410.35,3576.85 cw(c6408,3574.51) 6411.32,3574.51 ccw(c6414.64,3574.51) 6412.3,3572.16 ccw(c6426.92,3586.78) 6426.92,3566.1 6717.81,3566.1 ccw(c6717.81,3582.39) 6729.32,3570.87 6730.58,3572.13 ccw(c6722.09,3580.61) 6734.09,3580.61 ccw(c6722.09,3580.61) 6730.58,3589.1 6716.8,3602.88 cw(c6722.18,3608.27) J1.F3
DNC3_P: J1.E3 R1.2 | length 419.6
  Top Layer w12: R1.2 ccw(c6397.64,3529.36) 6400.99,3525.99 6410.35,3535.35 ccw(c6408,3537.7) 6411.32,3537.7 cw(c6414.64,3537.7) 6412.3,3540.05 cw(c6426.92,3525.42) 6426.92,3546.1 6717.81,3546.1 ccw(c6717.81,3582.39) 6743.47,3556.73 6747.65,3560.92 ccw(c6732.09,3576.47) 6754.09,3576.47 cw(c6776.09,3576.47) 6760.54,3592.03 6771.39,3602.88 ccw(c6766,3608.27) J1.E3
DNC4_N: J1.F4 R4.1 | length 388.2
  Bottom Layer w12: R4.1@6397.64,3686.02 cw(c6397.64,3681.27) R4.1 6410.35,3675.28 cw(c6408,3672.93) 6411.32,3672.93 ccw(c6414.64,3672.93) 6412.3,3670.58 ccw(c6426.92,3685.21) 6426.92,3664.53 6717.81,3664.53 ccw(c6717.81,3680.82) 6729.32,3669.3 6730.58,3670.55 ccw(c6722.09,3679.04) 6734.09,3679.04 ccw(c6722.09,3679.04) 6730.58,3687.52 6716.8,3701.31 cw(c6722.18,3706.69) J1.F4
DNC4_P: J1.E4 R4.2 | length 419.6
  Bottom Layer w12: R4.2@6397.64,3623.03 ccw(c6397.64,3627.78) 6400.99,3624.42 6410.35,3633.78 ccw(c6408,3636.12) 6411.32,3636.12 cw(c6414.64,3636.12) 6412.3,3638.47 cw(c6426.92,3623.85) 6426.92,3644.53 6717.81,3644.53 ccw(c6717.81,3680.82) 6743.47,3655.16 6747.65,3659.34 ccw(c6732.09,3674.9) 6754.09,3674.9 cw(c6776.09,3674.9) 6760.54,3690.45 6771.39,3701.31 ccw(c6766,3706.69) J1.E4
ESD1: pad.ESD_STRIP_1 R5.1 | length 196.7
  Bottom Layer w20: R5.1 5785.43,184.06 5868.14,101.35 pad.ESD_STRIP_1
ESD2: "pad.ESD_STRIP_ 2" R6.2 R7.1 | length 313.9
  Bottom Layer w20: 5356.33,34.45 5342.64,48.13 5342.64,186.89 R7.1 R6.2
FPGA_CLK1_N: J2.B5
FPGA_CLK1_P: J2.A5
FPGA_CLK2_N: J2.B9
FPGA_CLK2_P: J2.A9
GND: C1.2 C2.2 C3.2 C4.2 IC1.1 IC1.2 IC1.3 IC1.8 IC2.4 IC2.5 IC2.6 IC2.7 IC3.4 IC3.5 IC3.6 IC4.1 IC4.2 IC4.3 IC4.4 IC4.7 J1.BG1 J1.BG2 J1.BG3 J1.BG4 J1.BG5 J1.BG6 J1.BG7 J1.BG8 J1.BG9 J1.BG10 J1.C1 J1.DG1 J1.DG2 J1.DG3 J1.DG4 J1.DG5 J1.DG6 J1.DG7 J1.DG8 J1.DG9 J1.DG10 J1.FG1 J1.FG2 J1.FG3 J1.FG4 J1.FG5 J1.FG6 J1.FG7 J1.FG8 J1.FG9 J1.FG10 J2.BG1 J2.BG2 J2.BG3 J2.BG4 J2.BG5 J2.BG6 J2.BG7 J2.BG8 J2.BG9 J2.BG10 J2.DG1 J2.DG2 J2.DG3 J2.DG4 J2.DG5 J2.DG6 J2.DG7 J2.DG8 J2.DG9 J2.DG10 J2.FG1 J2.FG2 J2.FG3 J2.FG4 J2.FG5 J2.FG6 J2.FG7 J2.FG8 J2.FG9 J2.FG10 J3.1 pad.0 pad.ESD_STRIP_3 pad.MH1 pad.MH2 PB1.3 PB1.4 R8.2
  other v1: 944.88,39.37 1141.73,39.37 1338.58,39.37 1535.43,39.37 1732.28,39.37 1929.13,39.37 2125.98,39.37 2322.83,39.37 2519.68,39.37 2716.54,39.37 2913.39,39.37 3110.24,39.37 3307.09,39.37 3503.94,39.37 3700.79,39.37 3897.64,39.37 4094.49,39.37 4330.71,39.37 4527.56,39.37 4724.41,39.37 4921.26,39.37
I2C_SCL_MMC: IC1.15 IC2.2 IC3.2 IC4.6 J1.D2 R12.2 | length 304.6
  Bottom Layer w12: R12.2 1141.73,462.6 1161.42,442.91 IC1.15
I2C_SDA_MMC: IC1.14 IC2.1 IC3.1 IC4.5 J1.D1 R13.2 | length 275.1
  Bottom Layer w12: R13.2 1083.46,463.78 1129.92,417.32 IC1.14
NetIC1_4: IC1.4 PB1.1 PB1.2 R10.1 | length 257.3
  Top Layer w12: PB1.1 PB1.2 1269.19,5720.96 1452.26,5720.96 R10.1
NetIC1_10: IC1.10 R15.1 | length 283.5
  Bottom Layer w12: R15.1 IC1.10
NetIC1_11: IC1.11 R16.1 | length 682.9
  Bottom Layer w12: R16.1 1200.79,354.33 1214.57,340.55 IC1.11
NetIC1_12: IC1.12 R17.1
NetIC1_13: IC1.13 R11.2 | length 621
  Bottom Layer w12: R11.2@787.4,560.24 788.19,560.24 956.69,391.73 IC1.13
NetR5_2: R5.2 R6.1 | length 82.7
  Bottom Layer w20: R6.1 R5.2
NetR7_2: R7.2 R8.1 | length 102.4
  Bottom Layer w20: R8.1 R7.2
OVER_TEMP: IC1.9 IC2.3 IC3.3 R9.2 | length 72.8
  Bottom Layer w12: R9.2 IC1.9
P2_BLUE: LED3.1 R17.2 | length 295.9
  Bottom Layer w12: R17.2 374.02,5688.98 418.31,5733.27 LED3.1
P3_GREEN: LED2.1 R16.2 | length 387.5
  Bottom Layer w12: LED2.1 285.43,179.13 293.21,186.91 295.18,186.91 462.6,354.33 R16.2
P3V3MP: C1.1 C2.1 C3.1 C4.1 IC1.16 IC2.8 IC3.7 IC3.8 IC4.8 LED1.2 LED2.2 LED3.2 R9.1 R10.2 R11.1 R12.1 R13.1 | length 2424.4
  Top Layer w12: v1(537.4,187.01) 538.39,187.99 589.57,187.99 LED1.2
  Bottom Layer w12: LED2.2 285.43,96.58 293.21,88.8 439.2,88.8 v1(537.4,187.01) 1368.11,187.01 1375.59,194.49 R9.1 1375.59,253.54 1407.48,285.43 1407.48,442.91 1384.75,465.65 1341.44,465.65 IC1.16 1338.58,538.98 ; R11.1 1107.87,598.43 1109.06,597.24 ; R13.1 1082.68,570.87 1109.06,597.24 ; C3.1 1338.98,539.37 1338.58,538.98 ; 1109.06,597.24 1112.2,600.39 1140.55,600.39 R12.1 1278.35,599.21 1338.58,538.98
P4_RED: LED1.1 R15.2 | length 479.9
  Top Layer w12: LED1.1 653.54,125.98 v1(842.52,314.96)
  Bottom Layer w12: v1(842.52,314.96) R15.2
RTM_3V3MP: J1.C2
RTM_12P0V: J1.A1 J1.A2 J1.B1 J1.B2
RTM_IO0: J1.C5
RTM_IO1: J1.C6
RTM_IO2: J1.C7
RTM_IO3: J1.C8
RTM_IO4: J1.C9
RTM_IO5: J1.C10
RTM_IO6: J2.A1
RTM_IO7: J2.A2
RTM_IO8: J2.C1
RTM_IO9: J2.C2
RTM_IO10: J2.E1
RTM_IO11: J2.E2
RTM_IO12: J1.A7
RTM_IO13: J1.A8
RTM_IO14: J1.A9
RTM_LVD0_N: J1.B6
RTM_LVD0_P: J1.A6
RTM_LVD1_N: J1.F7
RTM_LVD1_P: J1.E7
RTM_LVD2_N: J1.F6
RTM_LVD2_P: J1.E6
RTM_LVD3_N: J1.F5
RTM_LVD3_P: J1.E5
RTM_LVD4_N: J1.B5
RTM_LVD4_P: J1.A5
RTM_LVD5_N: J1.F9
RTM_LVD5_P: J1.E9
RTM_LVD6_N: J1.F10
RTM_LVD6_P: J1.E10
RTM_LVD7_N: J1.F8
RTM_LVD7_P: J1.E8
SFP1RX_N: J2.D10
SFP1RX_P: J2.C10
SFP1TX_N: J2.F10
SFP1TX_P: J2.E10
SFP2RX_N: J2.D9
SFP2RX_P: J2.C9
SFP2TX_N: J2.F9
SFP2TX_P: J2.E9
SFP3RX_N: J2.D8
SFP3RX_P: J2.C8
SFP3TX_N: J2.F8
SFP3TX_P: J2.E8
SFP4RX_N: J2.D7
SFP4RX_P: J2.C7
SFP4TX_N: J2.F7
SFP4TX_P: J2.E7
SFP5RX_N: J2.D6
SFP5RX_P: J2.C6
SFP5TX_N: J2.F6
SFP5TX_P: J2.E6
SFP6RX_N: J2.D5
SFP6RX_P: J2.C5
SFP6TX_N: J2.F5
SFP6TX_P: J2.E5
SFP7RX_N: J2.D4
SFP7RX_P: J2.C4
SFP7TX_N: J2.F4
SFP7TX_P: J2.E4
SFP8RX_N: J2.D3
SFP8RX_P: J2.C3
SFP8TX_N: J2.F3
SFP8TX_P: J2.E3
SYNC_CLK1_N: J1.B3
SYNC_CLK1_P: J1.A3
TCK: J1.E1
TDI: J1.E2
TDO: J1.F1
TMS: J1.F2
pads on no net: FTG1.FTG2 FTG2.FTG2 FTG3.FTG2 FTG4.FTG2 FTG5.FTG2 FTG6.FTG2 IC1.5 IC1.6 IC1.7 J1.A10 J1.B7 J1.B8 J1.B9 J1.B10 J1.D5 J1.D6 J1.D7 J1.D8 J1.D9 J1.D10 J2.A3 J2.A4 J2.A6 J2.A7 J2.A8 J2.A10 J2.B1 J2.B2 J2.B3 J2.B4 J2.B6 J2.B7 J2.B8 J2.B10 J2.D1 J2.D2 J2.F1 J2.F2 LED2.3 LED3.3 PB1.5 PB1.10

## Polygon pours and split planes (outlines as drawn)
GND on Top Layer "Top Layer-No Net" (solid, remove dead copper, pour order 0): 0,5748.03 7204.72,5748.03 7204.72,98.43 0,98.43
GND on Bottom Layer "Bottom Layer-No Net" (solid, remove dead copper, pour order 6): 0,5748.03 7204.72,5748.03 7204.72,98.43 0,98.43
GND on Internal Plane 1 (split plane): 6261.4,5777.56 6261.79,5773.64 6262.93,5769.87 6264.79,5766.39 6267.29,5763.35 6270.33,5760.85 6273.81,5758.99 6277.58,5757.85 6281.5,5757.46 7166.91,5757.46 7166.91,3372.46 6281.5,3372.46 6277.58,3372.07 6273.81,3370.93 6270.33,3369.07 6267.29,3366.57 6264.79,3363.53 6262.93,3360.05 6261.79,3356.28 6261.4,3352.36 6261.4,22.07 557.5,22.07 557.5,41.34 557.11,45.26 555.97,49.03 554.11,52.5 551.61,55.55 548.57,58.05 545.09,59.91 541.32,61.05 537.4,61.44 258.29,61.44 258.29,206.69 257.9,210.61 256.76,214.38 254.9,217.86 252.4,220.9 249.35,223.4 245.88,225.26 242.11,226.4 238.19,226.79 22.07,226.79 22.07,5785.02 547.27,5785.02 547.61,5781.51 548.76,5777.74 550.61,5774.27 553.11,5771.22 556.16,5768.72 559.63,5766.87 563.4,5765.72 567.32,5765.34 891.73,5765.34 895.65,5765.72 899.42,5766.87 902.9,5768.72 905.94,5771.22 908.44,5774.27 910.3,5777.74 911.44,5781.51 911.83,5785.43 911.83,5828.33 6261.4,5828.33
no net on Internal Plane 2 (split plane): 6261.4,5777.56 6261.79,5773.64 6262.93,5769.87 6264.79,5766.39 6267.29,5763.35 6270.33,5760.85 6273.81,5758.99 6277.58,5757.85 6281.5,5757.46 7166.91,5757.46 7166.91,3372.46 6281.5,3372.46 6277.58,3372.07 6273.81,3370.93 6270.33,3369.07 6267.29,3366.57 6264.79,3363.53 6262.93,3360.05 6261.79,3356.28 6261.4,3352.36 6261.4,22.07 557.5,22.07 557.5,41.34 557.11,45.26 555.97,49.03 554.11,52.5 551.61,55.55 548.57,58.05 545.09,59.91 541.32,61.05 537.4,61.44 258.29,61.44 258.29,206.69 257.9,210.61 256.76,214.38 254.9,217.86 252.4,220.9 249.35,223.4 245.88,225.26 242.11,226.4 238.19,226.79 22.07,226.79 22.07,5785.02 547.27,5785.02 547.61,5781.51 548.76,5777.74 550.61,5774.27 553.11,5771.22 556.16,5768.72 559.63,5766.87 563.4,5765.72 567.32,5765.34 891.73,5765.34 895.65,5765.72 899.42,5766.87 902.9,5768.72 905.94,5771.22 908.44,5774.27 910.3,5777.74 911.44,5781.51 911.83,5785.43 911.83,5828.33 6261.4,5828.33

## Other copper
Top Layer:
  text "1" at 6141.73,2244.09 h78.74 r90
Bottom Layer:
  pour cut-out: 5039.37,334.65 5039.37,98.43 6281.5,98.43 6281.5,334.65
  text "4" at 6141.73,2598.43 h78.74 r90
Internal Plane 1 (plane layer: these items are gaps in the copper):
  region: 6259.84,2755.91
  text "2" at 6141.73,2362.2 h78.74 r90
Internal Plane 2 (plane layer: these items are gaps in the copper):
  text "3" at 6141.73,2480.32 h78.74 r90
Multi-Layer:
  pour cut-out: 6023.62,2677.17 6181.1,2677.17 6181.1,2204.72 6023.62,2204.72

## Silkscreen, mask and mechanical layers (free items; w line width, h text height)
Mechanical 2:
  lines w3.94: 7187.01,3352.36 6281.5,3352.36 6281.5,1448.82 6281.5,1.97 537.4,1.97 537.4,41.34 238.19,41.34 238.19,206.69 1.97,206.69 1.97,5805.12 567.32,5805.12 567.32,5785.43 891.73,5785.43 891.73,5848.43 6281.5,5848.43 6281.5,5777.56 7187.01,5777.56 ; 7187.01,4336.61 7187.01,6761.81
Mechanical 3:
  circle w1.97: c1.97,5805.12 r0.98
  circle w1.97: c1.97,5805.12 r0.98
  lines w10: 6277.56,3385.83 6277.56,5366.14 ; 6439.96,3393.7 6439.96,5199.8 ; 7127.95,3449.8 7127.95,3411.42 7163.39,3411.42 ; 7127.95,4437.01 7127.95,4395.67 7167.32,4395.67

## Text inside footprints (layer, text, board x,y; h text height)
J1: Top Overlay "A1" at 7244.09,3411.42 h43.31 r90; Top Overlay "A10" at 7244.09,4218.5 h43.31 r90; Drill Drawing "PRESS-FIT TECHNOLOGY" at 6608.27,3553.15 h39.37 r90; Drill Drawing "diam. 0.6mm +0.06 -0" at 7248.03,3535.43 h39.37 r90; Mechanical 14 "A1" at 7244.09,3411.42 h43.31 r90; Mechanical 14 "A10" at 7244.09,4218.5 h43.31 r90; Mechanical 8 "PCB Edge" at 7240.75,3734.25 h39.37 r90
J2: Top Overlay "A10" at 7244.09,5202.76 h43.31 r90; Top Overlay "A1" at 7244.09,4395.67 h43.31 r90; Drill Drawing "diam. 0.6mm +0.06 -0" at 7248.03,4519.69 h39.37 r90; Drill Drawing "PRESS-FIT TECHNOLOGY" at 6608.27,4537.4 h39.37 r90; Mechanical 14 "A10" at 7244.09,5202.76 h43.31 r90; Mechanical 14 "A1" at 7244.09,4395.67 h43.31 r90; Mechanical 8 "PCB Edge" at 7240.75,4718.5 h39.37 r90
J3: Mechanical 8 "PCB Edge" at 7236.89,5408.46 h39.37 r90